# Altium PCB PCB_v1.PcbDoc (part 2 of 8) (continued)
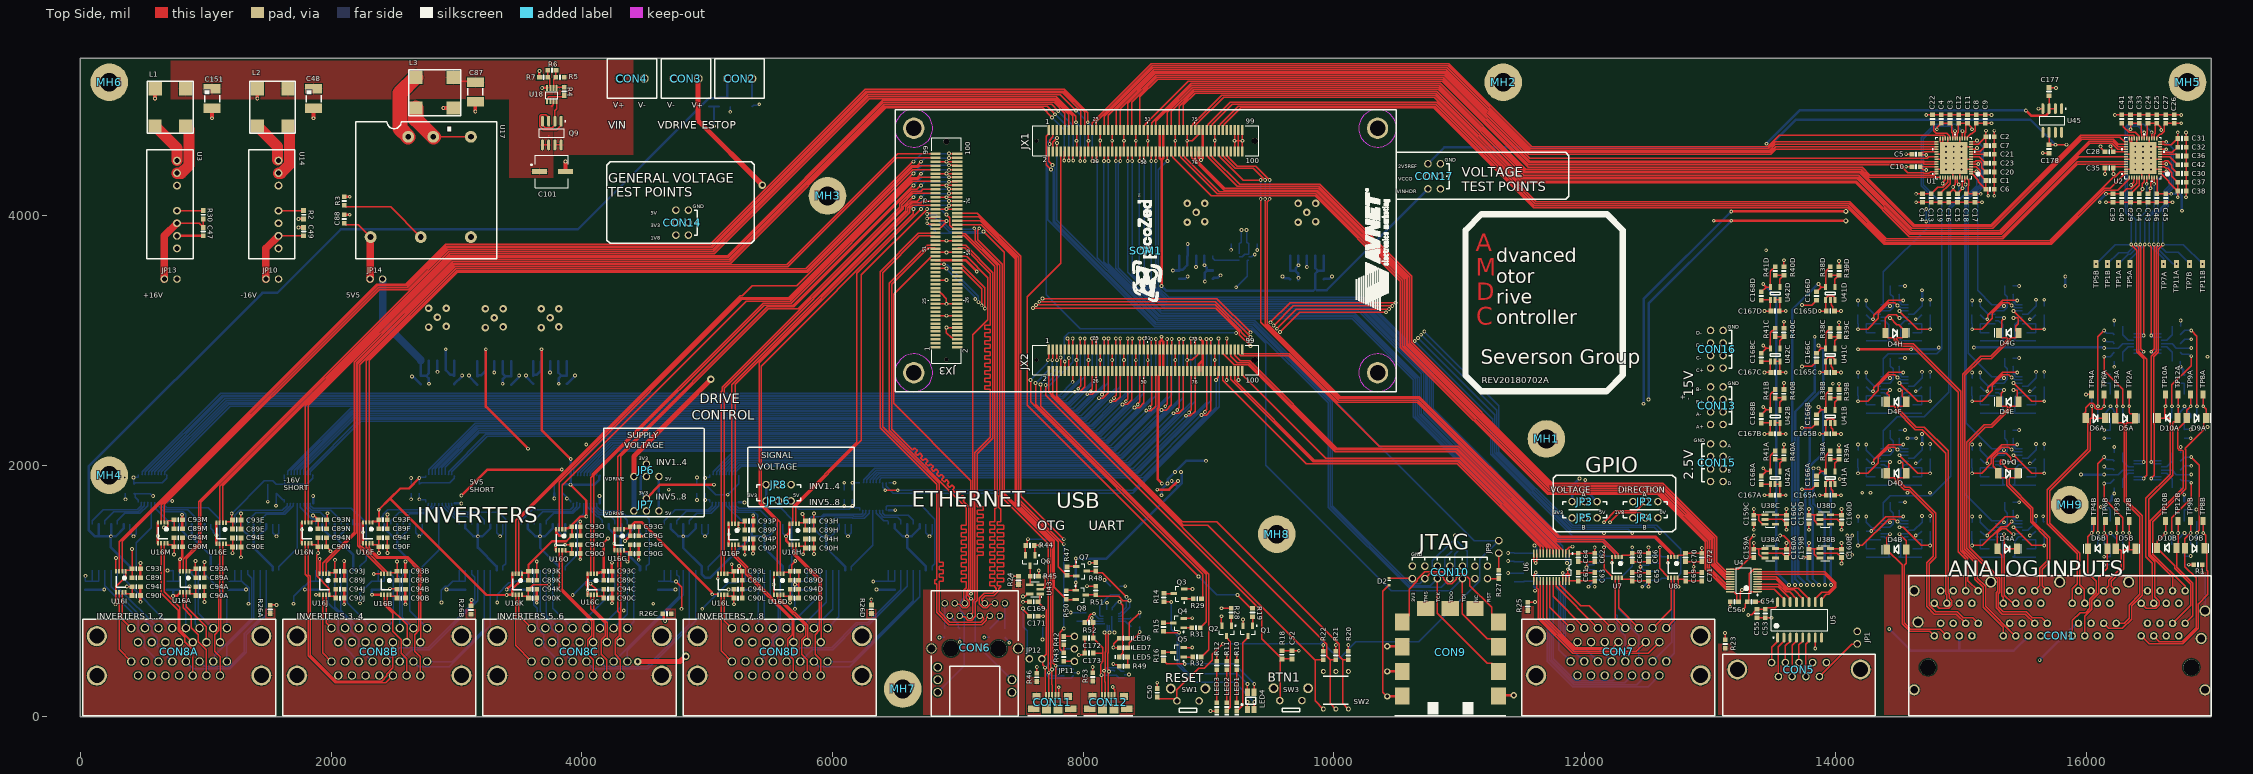
[diagram p0: Top Side view]
## Footprints (in the part's own frame and the unit in brackets; to place one, negate y for a bottom-side part, rotate by r counter-clockwise, add the part's x,y. Pads: shape width x height; smd on the part's side, far side on the other; paste and mask are expansions set on the pad) (continued)
  Top Side keep-out circle w4: c2100,150 r150
  Top Side keep-out circle w4: c150,3850 r150
  Top Side keep-out circle w4: c2100,3850 r150
  Top Side keep-out circle w4: c150,150 r150
  Bottom Side keep-out circle w4: c2100,150 r150
  Bottom Side keep-out circle w4: c150,3850 r150
  Bottom Side keep-out circle w4: c2100,3850 r150
  Bottom Side keep-out circle w4: c150,150 r150
  silkscreen extent 0,0 2250,4000, body extent -1,0 2250,4000, height 186
PIN_HEADER_1x2 [mil]
  round 60 hole 40.16: 1(-50,0) 2(50,0)
PIN_HEADER_1X3 [mil]
  round 60 hole 40.16: 1(-100,0) 2(0,0) 3(100,0)
PIN_HEADER_1X3T [mil]
  round 60 hole 40.16: 1(-100,0) 2(0,0) 3(100,0) 4(0,100)
PIN_HEADER_2x3 [mil]
  round 60 hole 40.16: 1(-100,50) 2(-100,-50) 3(0,50) 4(0,-50) 5(100,50) 6(100,-50)
PIN_HEADER_2x4 [mil]
  round 60 hole 40.16: 1(-150,50) 2(-150,-50) 3(-50,50) 4(-50,-50) 5(50,50) 6(50,-50) 7(150,50) 8(150,-50)
PIN_HEADER_2x7 [mil]
  round 60 hole 40.16: 1(-300,0) 2(-300,-100) 3(-200,0) 4(-200,-100) 5(-100,0) 6(-100,-100) 7(0,0) 8(0,-100) 9(100,0) 10(100,-100) 11(200,0) 12(200,-100) 13(300,0) 14(300,-100)
QFN20 [mm]
  rect 0.3x0.3 smd: 1(0.914,3.327) 6(0.914,0.827) 11(3.414,0.827) 16(3.414,3.327)
  rect 0.9x0.3 smd: 2(0.614,2.827) 3(0.614,2.327) 4(0.614,1.827) 5(0.614,1.327) 12(3.71,1.327) 13(3.71,1.827) 14(3.71,2.327) 15(3.71,2.827)
  rect 0.3x0.9 smd: 7(1.414,0.527) 8(1.914,0.527) 9(2.414,0.527) 10(2.914,0.527) 17(2.914,3.623) 18(2.414,3.623) 19(1.914,3.623) 20(1.414,3.623)
  rect 1.8x1.8 smd: 21(2.164,2.077)
  silkscreen extent 0.26,0.58 3.66,3.99
QFN52 [mil] "Small 52-Lead (7mm × 8mm) QFN Package"
  rect 32x12 smd paste+0 mask+0: 1(-136,127.95) 2(-136,108.27) 3(-136,88.58) 4(-136,68.9) 5(-136,49.21) 6(-136,29.53) 7(-136,9.84) 8(-136,-9.84) 9(-136,-29.53) 10(-136,-49.21) 11(-136,-68.9) 12(-136,-88.58) 13(-136,-108.27) 14(-136,-127.95) 27(136,-127.95) 28(136,-108.27) 29(136,-88.58) 30(136,-68.9) 31(136,-49.21) 32(136,-29.53) 33(136,-9.84) 34(136,9.84) 35(136,29.53) 36(136,49.21) 37(136,68.9) 38(136,88.58) 39(136,108.27) 40(136,127.95)
  rect 12x32 smd paste+0 mask+0: 15(-108.27,-155.5) 16(-88.58,-155.5) 17(-68.9,-155.5) 18(-49.21,-155.5) 19(-29.53,-155.5) 20(-9.84,-155.5) 21(9.84,-155.5) 22(29.53,-155.5) 23(49.21,-155.5) 24(68.9,-155.5) 25(88.58,-155.5) 26(108.27,-155.5) 41(108.27,155.5) 42(88.58,155.5) 43(68.9,155.5) 44(49.21,155.5) 45(29.53,155.5) 46(9.84,155.5) 47(-9.84,155.5) 48(-29.53,155.5) 49(-49.21,155.5) 50(-68.9,155.5) 51(-88.58,155.5) 52(-108.27,155.5)
  rect 216.93x257.87 smd paste-128.44 mask+0: 53(0,0)
  silkscreen extent -205,-192 172,192, body extent 0,0 10,10, height 10
RCU-0C [mm] "0603 PROBE PAD"
  rect 1x1.6 smd: 1(0,0)
  body extent -0.44,-0.8 0.46,0.8, height 1.12
"RS6 DCDC" [mm]
  round 1.6 hole 1: 1(0,0) 2(2.54,0) 3(5.08,0) 5(10.16,0) 6(12.7,0) 7(15.24,0) 8(17.78,0)
  silkscreen extent -2.16,-6.08 19.94,3.3, body extent -2.03,-5.97 19.81,3.18, height 11.1
SC70-5 [mm]
  rect 0.4x0.5 smd: 1(-0.65,-0.95) 2(0,-0.95) 3(0.65,-0.95) 4(0.65,0.95) 5(-0.65,0.95)
  silkscreen extent -0.76,-0.25 -0.51,0
SM8 [mm]
  rect 0.42x0.889 smd: 1(0,-2.105) 2(0.65,-2.105) 3(1.3,-2.105) 4(1.95,-2.105) 5(1.95,2.105) 6(1.3,2.105) 7(0.65,2.105) 8(0,2.105)
  silkscreen extent 0,-1.14 1.91,1.14
SMA [mm] "DO-214-AC/SMA; 2 C-Bend Leads; Body 5 x 2.7 mm, inc. leads (LxW)"
  rect 1.27x2.1 smd: 1(-2.05,0) 2(1.905,0)
  silkscreen extent -0.56,-0.94 2.77,0.91, body extent -2.16,-1.27 2.29,1.27, height 2.29
SO8_N [mm] "SOIC, 8-Leads, Body 4.9x3.9mm, Pitch 1.27mm, IPC Medium Density"
  oval 2.2x0.6 smd: 1(-2.4,1.905) 2(-2.4,0.635) 3(-2.4,-0.635) 4(-2.4,-1.905) 5(2.4,-1.905) 6(2.4,-0.635) 7(2.4,0.635) 8(2.4,1.905)
  silkscreen extent -2.52,-2.5 0.9,2.88, body extent -2,-2.5 2,2.5, height 1.75
SOD-523 [mm]
  rect 0.5x0.6 smd paste+0 mask+0: A(-0.7,0) C(0.7,0)
  silkscreen extent 0.28,-0.3 0.28,0.3
SOIC8_N [mm] "8-Pin Small Outline Integrated Circuit Package (SOIC8), IPC Medium Density"
  oval 2.2x0.6 smd: 1(-2.4,1.905) 2(-2.4,0.635) 3(-2.4,-0.635) 4(-2.4,-1.905) 5(2.4,-1.905) 6(2.4,-0.635) 7(2.4,0.635) 8(2.4,1.905)
  silkscreen extent -2.52,-2.5 0.9,2.88, body extent -1.95,-2.45 1.95,2.45, height 1.75
SOIC14_N [mm] "14-Pin Small Outline Integrated Circuit 1.27 mm Pitch, IPC Medium Density"
  oval 2.2x0.6 smd: 1(-2.4,3.81) 2(-2.4,2.54) 3(-2.4,1.27) 4(-2.4,0) 5(-2.4,-1.27) 6(-2.4,-2.54) 7(-2.4,-3.81) 8(2.4,-3.81) 9(2.4,-2.54) 10(2.4,-1.27) 11(2.4,0) 12(2.4,1.27) 13(2.4,2.54) 14(2.4,3.81)
  silkscreen extent -2.52,-4.4 0.9,4.79, body extent -1.95,-4.33 1.95,4.33, height 1.75
"SOIC16_N - wide" [mm] "ISO5452"
  oval 2.2x0.6 smd: 1(0,0) 2(0,-1.27) 3(0,-2.54) 4(0,-3.81) 5(0,-5.08) 6(0,-6.35) 7(0,-7.62) 8(0,-8.89) 9(9.32,-8.89) 10(9.32,-7.62) 11(9.32,-6.35) 12(9.32,-5.08) 13(9.32,-3.81) 14(9.32,-2.54) 15(9.32,-1.27) 16(9.32,0)
  silkscreen extent -0.12,-9.45 7.62,0.97, body extent 0.4,-9.45 8.89,0.56, height 1.91
SOP127P826-16L [mm] "SOP, 16-Leads, Body 11x6.2mm, Pitch 1.27mm, IPC High Density"
  oval 2x0.6 smd: 1(-3.6,4.445) 2(-3.6,3.175) 3(-3.6,1.905) 4(-3.6,0.635) 5(-3.6,-0.635) 6(-3.6,-1.905) 7(-3.6,-3.175) 8(-3.6,-4.445) 9(3.6,-4.445) 10(3.6,-3.175) 11(3.6,-1.905) 12(3.6,-0.635) 13(3.6,0.635) 14(3.6,1.905) 15(3.6,3.175) 16(3.6,4.445)
  silkscreen extent -3.72,-5.7 2.2,5.7, body extent -3.11,-5.71 3.11,5.71, height 2
SOT23-5 [mm] "SOT-23/SC-74A; 5 Leads; Body 3 x 3 mm, inc. leads (LxW max)"
  rect 0.55x1.45 smd: 1(-0.95,-1.075) 2(0,-1.075) 3(0.95,-1.075) 4(0.95,1.075) 5(-0.95,1.075)
  silkscreen extent -1.57,-1.35 1.55,0.9
SOT95P250-3N [mm] "SOT23, 3-Leads, Body 2.9x1.3mm, Pitch 0.95mm, Lead Span 2.3mm, IPC Medium Density"
  rect 1.3x0.6 smd: 1(-1.05,0.95) 2(-1.05,-0.95) 3(1.05,0)
  silkscreen extent -1.17,-1.5 0.7,1.93, body extent -0.7,-1.5 0.7,1.5, height 1.2
SOT363-6N [mm] "SOT363, 6-Leads, Body 2x1.3mm, Pitch 0.65mm, Lead Span 2.1mm, IPC Medium Density"
  rect 0.85x0.4 smd: 1(-0.95,0.65) 2(-0.95,0) 3(-0.95,-0.65) 4(0.95,-0.65) 5(0.95,0) 6(0.95,0.65)
  silkscreen extent -1.07,-1.1 0.15,1.52, body extent -0.7,-1.1 0.7,1.1, height 1
TS8 [mm]
  rect 0.4x1.22 smd: 1(0,0) 2(0.65,0) 3(1.3,0) 4(1.95,0) 5(1.95,2.62) 6(1.3,2.62) 7(0.65,2.62) 8(0,2.62)
  silkscreen extent -0.64,0.07 2.18,2.21, body extent -0.49,-0.06 2.41,2.74, height 1
TSOT-23 [mm] "5-Lead Plastic TSOT-23"
  rect 0.62x1.22 smd: 1(-0.95,-1.31) 2(0,-1.31) 3(0.95,-1.31) 4(0.95,1.31) 5(-0.95,1.31)
  silkscreen extent -1.02,-0.25 1.02,0.25
TSSOP14 [mm] "Shrink Small Outline; 14 Leads; Body Width 4.4 mm; Pitch 0.65 mm"
  rect 0.3x1.65 smd: 1(-1.95,-2.775) 2(-1.3,-2.775) 3(-0.65,-2.775) 4(0,-2.775) 5(0.65,-2.775) 6(1.3,-2.775) 7(1.95,-2.775) 8(1.95,2.775) 9(1.3,2.775) 10(0.65,2.775) 11(0,2.775) 12(-0.65,2.775) 13(-1.3,2.775) 14(-1.95,2.775)
  silkscreen extent -2.77,-2.9 2.55,1.55
TSSOP24 [mm] "Shrink Small Outline; 24 Leads; Body Width 4.4 mm; Pitch 0.65 mm"
  rect 0.3x1.6 smd: 1(-3.575,-2.8) 2(-2.925,-2.8) 3(-2.275,-2.8) 4(-1.625,-2.8) 5(-0.975,-2.8) 6(-0.325,-2.8) 7(0.325,-2.8) 8(0.975,-2.8) 9(1.625,-2.8) 10(2.275,-2.8) 11(2.925,-2.8) 12(3.575,-2.8) 13(3.575,2.8) 14(2.925,2.8) 15(2.275,2.8) 16(1.625,2.8) 17(0.975,2.8) 18(0.325,2.8) 19(-0.325,2.8) 20(-0.975,2.8) 21(-1.625,2.8) 22(-2.275,2.8) 23(-2.925,2.8) 24(-3.575,2.8)
  silkscreen extent -4.4,-2.92 4,1.6
TSSOP50P640-20N [mm] "TSSOP, 20-Leads, Body 5x4.4mm, Pitch 0.5mm, IPC Medium Density"
  oval 1.75x0.3 smd: 1(-2.775,2.25) 2(-2.775,1.75) 3(-2.775,1.25) 4(-2.775,0.75) 5(-2.775,0.25) 6(-2.775,-0.25) 7(-2.775,-0.75) 8(-2.775,-1.25) 9(-2.775,-1.75) 10(-2.775,-2.25) 11(2.775,-2.25) 12(2.775,-1.75) 13(2.775,-1.25) 14(2.775,-0.75) 15(2.775,-0.25) 16(2.775,0.25) 17(2.775,0.75) 18(2.775,1.25) 19(2.775,1.75) 20(2.775,2.25)
  silkscreen extent -2.9,-2.55 1.5,3.07, body extent -2.25,-2.55 2.25,2.55, height 1.2
TSSOP-20 [mm]
  rect 0.45x1.25 smd: 1(0,0) 2(0.65,0) 3(1.3,0) 4(1.95,0) 5(2.6,0) 6(3.25,0) 7(3.9,0) 8(4.55,0) 9(5.2,0) 10(5.85,0) 11(5.85,5.55) 12(5.2,5.55) 13(4.55,5.55) 14(3.9,5.55) 15(3.25,5.55) 16(2.6,5.55) 17(1.95,5.55) 18(1.3,5.55) 19(0.65,5.55) 20(0,5.55)
  silkscreen extent -1.11,-0.71 6.02,6.27, body extent -0.38,-0.53 6.22,6.07, height 1.2

## Part data
C101: "Polarized Capacitor (Radial)", Capacitance=100uF, Case/Package=Radial, Dielectric Material=Aluminium, Leakage Current=3uA, Manufacturer=Nichicon, Manufacturer Part Number=UWT1V101MCL1GS, Max Operating Temperature=105°C, Min Operating Temperature=-55°C, Package Quantity=900, Ripple Current=84mA, Supplier Part Number 1=493-2203-6-ND, Tolerance=20%, Voltage=35V, ComponentLink1Description=https://datasheet.ciiva.com/96/e-wt-96659.pdf, ComponentLink1URL=https://datasheet.ciiva.com/96/e-wt-96659.pdf, ComponentLink2Description=https://datasheet.ciiva.com/96/e-wt-96660.pdf, ComponentLink2URL=https://datasheet.ciiva.com/96/e-wt-96660.pdf, ComponentLink3Description=https://datasheet.ciiva.com/96/e-wt-96661.pdf, ComponentLink3URL=https://datasheet.ciiva.com/96/e-wt-96661.pdf, ComponentLink4Description=https://datasheet.ciiva.com/11778/0900766b80fa3a91-11778473.pdf, ComponentLink4URL=https://datasheet.ciiva.com/11778/0900766b80fa3a91-11778473.pdf, ComponentLink5Description=https://datasheet.ciiva.com/15199/getdatasheetpartid-450031-15199274.pdf, ComponentLink5URL=https://datasheet.ciiva.com/15199/getdatasheetpartid-450031-15199274.pdf, ComponentLink6Description=https://datasheet.ciiva.com/17528/e-wt-17528043.pdf, ComponentLink6URL=https://datasheet.ciiva.com/17528/e-wt-17528043.pdf, ComponentLink7Description=https://datasheet.ciiva.com/11687/e-wt-11687372.pdf, ComponentLink7URL=https://datasheet.ciiva.com/11687/e-wt-11687372.pdf, ComponentLink8Description=https://datasheet.ciiva.com/16294/e-wt-16294316.pdf, ComponentLink8URL=https://datasheet.ciiva.com/16294/e-wt-16294316.pdf, Diameter=6.3mm, Dissipation Factor=0.14%, Height=7.7mm, Height - Seated (Max)=0.303inch, Lead Diameter=0.8mm, Lead Free="Lead Free", Lead Pitch=2.2mm, Length=7.7mm, Life (Hours)=1000Hour, Mount="Surface Mount,PCB", Number of Pins=2, Packaging="Tape and Reel", Pricing 1="1=0.39, 10=0.274, 100=0.1641 (USD)", Radiation Hardening=No, REACH SVHC="No SVHC", Ripple Current (AC)=84mA, Supplier 1=Digi-Key, Termination=SMD/SMT, Voltage Rating=35V, Voltage Rating (DC)=35V
CON1: "CONN MOD JACK 8P8C R/A SHIELDED", Supplier Part Number 1=A115463-ND, Supplier 1=Digi-Key
CON2 CON3 CON4: Supplier Part Number 1=277-1667-ND, Supplier 1=Digi-Key
CON5: "CONN D-SUB RCPT 9POS R/A SOLDER", Supplier Part Number 1=AE10921-ND, Supplier 1=Digi-Key
CON6: Supplier Part Number 1=380-1110-ND, Supplier 1=Digi-Key
CON7 CON8A CON8B CON8C CON8D: "CONN D-SUB RCPT 15POS R/A SLDR", Supplier Part Number 1=1115FFE-ND, Supplier 1=Digi-Key
CON11 CON12: "CONN RCPT MICRO USB TYPE AB", Supplier Part Number 1=A97799TR-ND, Supplier 1=Digi-Key
D1 D3 D7 D8: "TVS DIODE 5.5V 13V SC70-5", Supplier Part Number 1=F2895TR-ND, Supplier 1=Digi-Key
D2: "DIODE SCHOTTKY 30V 200MA SOD523", Supplier Part Number 1=RB521S30T1GOSTR-ND, Supplier 1=Digi-Key
D4A D4B D4C D4D D4E D4F D4G D4H D5A D5B D6A D6B D9A D9B D10A D10B: "TVS DIODE 22V 35.5V SMA", Breakdown Voltage=26.9V, Case/Package=SMA, Clamping Voltage=35.5V, Leakage Current=5uA, Manufacturer=Bourns, Manufacturer Part Number=SMAJ22CA, Max Operating Temperature=150°C, Max Surge Current=40A, Min Breakdown Voltage=24.4V, Min Operating Temperature=-55°C, Operating Supply Voltage=3.5V, Package Quantity=1, Peak Pulse Current=11.2A, Peak Pulse Power=400W, Power Line Protection=No, Reverse Standoff Voltage=22V, Supplier Part Number 1=SMAJ22CABDKR-ND, Test Current=1mA, ComponentLink1Description=https://datasheet.ciiva.com/333/smaj-333520.pdf, ComponentLink1URL=https://datasheet.ciiva.com/333/smaj-333520.pdf, ComponentLink2Description=https://datasheet.ciiva.com/3022/smaj-3022225.pdf, ComponentLink2URL=https://datasheet.ciiva.com/3022/smaj-3022225.pdf, ComponentLink3Description=https://datasheet.ciiva.com/17413/smaj-17413512.pdf, ComponentLink3URL=https://datasheet.ciiva.com/17413/smaj-17413512.pdf, ComponentLink4Description=https://datasheet.ciiva.com/4509/smaj-74970-4509930.pdf, ComponentLink4URL=https://datasheet.ciiva.com/4509/smaj-74970-4509930.pdf, ComponentLink5Description=https://datasheet.ciiva.com/333/smaj-333518.pdf, ComponentLink5URL=https://datasheet.ciiva.com/333/smaj-333518.pdf, ComponentLink6Description=https://datasheet.ciiva.com/333/smaj-333519.pdf, ComponentLink6URL=https://datasheet.ciiva.com/333/smaj-333519.pdf, ComponentLink7Description=https://datasheet.ciiva.com/3022/smaj-3022227.pdf, ComponentLink7URL=https://datasheet.ciiva.com/3022/smaj-3022227.pdf, ComponentLink8Description=https://datasheet.ciiva.com/3022/smaj-3022228.pdf, ComponentLink8URL=https://datasheet.ciiva.com/3022/smaj-3022228.pdf, ComponentLink9Description=https://datasheet.ciiva.com/334/smaj-334501.pdf, ComponentLink9URL=https://datasheet.ciiva.com/334/smaj-334501.pdf, ComponentLink10Description=https://datasheet.ciiva.com/334/smaj-334502.pdf, ComponentLink10URL=https://datasheet.ciiva.com/334/smaj-334502.pdf, ComponentLink11Description=https://datasheet.ciiva.com/334/smaj-334503.pdf, ComponentLink11URL=https://datasheet.ciiva.com/334/smaj-334503.pdf, Composition=Zener, Direction=Bidirectional, Element Configuration=Single, Max Reverse Leakage Current=5uA, Mount="Surface Mount", Number of Bidirectional Channels=1, Number of Channels=1, Number of Elements=1, Number of Pins=2, Packaging="Tape and Reel", Polarity=Bidirectional, Pricing 1="1=0.45, 10=0.353, 25=0.2976, 100=0.2421, 250=0.2006, 500=0.16602, 1000=0.12451, 2500=0.11414 (USD)", Radiation Hardening=No, Reverse Breakdown Voltage=24.4V, Stock 1=24429, Supplier 1=Digi-Key, Termination=SMD/SMT
L1 L2 L3: "CMC 450UH 6.5A 2LN TH", Case/Package=SMD/SMT, Current=3.5A, DC Resistance (DCR)=11mR, Inductance=9uh, Inductance Tolerance=25%, Manufacturer="Wurth Electronics", Manufacturer Part Number=744273801, Max Operating Temperature=125°C, Min Operating Temperature=-40°C, Package Quantity=1000, Supplier Part Number 1=732-2215-6-ND, Test Frequency=100kHz, Voltage Rating (DC)=80V, ComponentLink1Description=https://datasheet.ciiva.com/6215/744273801-6215152.pdf, ComponentLink1URL=https://datasheet.ciiva.com/6215/744273801-6215152.pdf, ComponentLink2Description=https://datasheet.ciiva.com/6048/1735681-6048514.pdf, ComponentLink2URL=https://datasheet.ciiva.com/6048/1735681-6048514.pdf, ComponentLink3Description=https://datasheet.ciiva.com/6215/744273801-6215157.pdf, ComponentLink3URL=https://datasheet.ciiva.com/6215/744273801-6215157.pdf, ComponentLink4Description=https://datasheet.ciiva.com/7764/1735681-7764966.pdf, ComponentLink4URL=https://datasheet.ciiva.com/7764/1735681-7764966.pdf, ComponentLink5Description=https://datasheet.ciiva.com/11800/0900766b80f886be-11800844.pdf, ComponentLink5URL=https://datasheet.ciiva.com/11800/0900766b80f886be-11800844.pdf, ComponentLink6Description=https://datasheet.ciiva.com/14123/744273801-eng-tds-14123645.pdf, ComponentLink6URL=https://datasheet.ciiva.com/14123/744273801-eng-tds-14123645.pdf, ComponentLink7Description=https://datasheet.ciiva.com/4952/744273801-77788-4952319.pdf, ComponentLink7URL=https://datasheet.ciiva.com/4952/744273801-77788-4952319.pdf, ComponentLink8Description=https://datasheet.ciiva.com/48690/001087412-da-01-ml-we-sl5-hc-stromk-smd-lin-fil-74427-de-en-48690507.pdf, ComponentLink8URL=https://datasheet.ciiva.com/48690/001087412-da-01-ml-we-sl5-hc-stromk-smd-lin-fil-74427-de-en-48690507.pdf, Core Material=Ferrite, Current Rating=3.5A, Depth=8.3mm, Height=5.3mm, Impedance=800R, Length=9.5mm, Max DC Current=3.5A, Mount="Surface Mount", Number of Lines=2, Number of Pins=4, Packaging="Tape and Reel", Pricing 1="1=3.37, 10=3.125, 50=2.822, 100=2.722, 500=2.52 (USD)", REACH SVHC="No SVHC", Resistance=11mR, Series Resistance=11mR, Stock 1=3927, Supplier 1=Digi-Key, Termination=SMD/SMT, Tolerance=25%, Width=8.3mm
LED4: Supplier Part Number 1=492-1243-2-ND, Supplier 1=Digi-Key
MH1 MH2 MH3 MH4 MH5 MH6 MH7 MH8 MH9: "MOUNTING HOLE"
Q1 Q2 Q3 Q4 Q5 Q6 Q7 Q8: Supplier Part Number 1=DMN65D8L-7DITR-ND, Supplier 1=Digi-Key
Q9: library part "IC - Si4946", "MOSFET Dual N-Channel 60V SO-8 Dual", Manufacturer=Vishay, Manufacturer Part Number=SI4946CDY-T1-GE3, Supplier Part Number 1=SI4946CDY-T1-GE3DKR-ND, Pricing 1="1=1.01, 10=0.892, 100=0.7052, 500=0.54688, 1000=0.43175 (USD)", Supplier 1=Digi-Key
R4 R6: library part Res1, "Resistor", Case/Package=0603, Case Code (Metric)=1608, Manufacturer="Stackpole Electronics", Manufacturer Part Number=RMCF0603FT60K4, Max Operating Temperature=155°C, Max Power Dissipation=100mW, Min Operating Temperature=-55°C, Resistance=60.4k, Supplier Part Number 1=RMCF0603FT60K4CT-ND, Temperature Coefficient=100ppm/°C, Tolerance=1%, Case Code (Imperial)=0603, ComponentLink1Description=https://www.verical.com/server-webapp/html/getDatasheet?partID=493745, ComponentLink1URL=https://www.verical.com/server-webapp/html/getDatasheet?partID=493745, ComponentLink2Description=http://components.arrow.com/part/dataview/47797003S7054871N1174, ComponentLink2URL=http://components.arrow.com/part/dataview/47797003S7054871N1174, ComponentLink3Description=https://www.seielect.com/catalog/SEI-RMCF_RMCP.pdf, ComponentLink3URL=https://www.seielect.com/catalog/SEI-RMCF_RMCP.pdf, Composition="Thick Film", Contact Plating=Tin,Matte, Depth=0.8mm, Height=0.022inch, Length=1.55mm, Military Standard=Not, Mount="Surface Mount", Number of Terminations=2, Packaging="Tape and Reel", Pricing 1="1=0.1, 10=0.017, 100=0.0069, 1000=0.00309, 2500=0.00268 (USD)", Radiation Hardening=No, Stock 1=95491, Supplier 1=Digi-Key, Width=0.031inch
R5: library part Res1, "Resistor", Case/Package=0603, Manufacturer="Stackpole Electronics", Manufacturer Part Number=RMCF0603FT3M92, Max Operating Temperature=155°C, Max Power Dissipation=100mW, Min Operating Temperature=-55°C, Package Quantity=5000, Resistance=3.92M, Supplier Part Number 1=RMCF0603FT3M92CT-ND, Temperature Coefficient=200ppm/°C, Tolerance=1%, ComponentLink1Description=https://www.seielect.com/Catalog/SEI-RMCF_RMCP.pdf, ComponentLink1URL=https://www.seielect.com/Catalog/SEI-RMCF_RMCP.pdf, Composition="Thick Film", Contact Plating=Tin,Matte, Height=0.022inch, Length=0.061inch, Mount="Surface Mount", Number of Terminations=2, Packaging="Tape and Reel", Pricing 1="1=0.1, 10=0.018, 100=0.0073, 1000=0.00329, 2500=0.00286 (USD)", Radiation Hardening=No, Stock 1=7775, Supplier 1=Digi-Key, Width=0.031inch
R7: library part Res1, "Resistor", Case/Package=0603, Case Code (Metric)=1608, Manufacturer="Stackpole Electronics", Manufacturer Part Number=RMCF0603FT40K2, Max Operating Temperature=155°C, Max Power Dissipation=100mW, Min Operating Temperature=-55°C, Resistance=40.2k, Supplier Part Number 1=RMCF0603FT40K2CT-ND, Temperature Coefficient=100ppm/°C, Tolerance=1%, Case Code (Imperial)=0603, ComponentLink1Description=http://components.arrow.com/part/dataview/47804758S9848883N1174, ComponentLink1URL=http://components.arrow.com/part/dataview/47804758S9848883N1174, ComponentLink2Description=https://www.seielect.com/catalog/SEI-RMCF_RMCP.pdf, ComponentLink2URL=https://www.seielect.com/catalog/SEI-RMCF_RMCP.pdf, ComponentLink3Description=http://www.seielect.com/Catalog/SEI-RMC.pdf, ComponentLink3URL=http://www.seielect.com/Catalog/SEI-RMC.pdf, ComponentLink4Description=https://www.seielect.com/catalog/SEI-Packaging.pdf, ComponentLink4URL=https://www.seielect.com/catalog/SEI-Packaging.pdf, Composition="Thick Film", Contact Plating=Tin,Matte, Height=0.022inch, Lead Free="Lead Free", Length=0.061inch, Mount="Surface Mount", Number of Terminations=2, Packaging="Tape and Reel", Power Rating=100mW, Pricing 1="1=0.1, 10=0.017, 100=0.0069, 1000=0.00309, 2500=0.00268 (USD)", Radiation Hardening=No, Stock 1=147242, Supplier 1=Digi-Key, Width=0.031inch
SOM1: library part PicoZed_SOM, "PicoZed SOM Carrier Footprint"
SW1 SW3: "SWITCH TACTILE SPST-NO 0.05A 24V", Supplier Part Number 1=450-1662-ND, Supplier 1=Digi-Key
SW2: "SWITCH PIANO DIP SPST 50MA 24V", Supplier Part Number 1=CT1943MST-ND, Supplier 1=Digi-Key
TP1A TP1B TP2A TP2B TP3A TP3B TP4A TP4B TP5A TP5B TP6A TP6B TP7A TP7B TP8A TP8B TP9A TP9B TP10A TP10B TP11A TP11B TP12A TP12B: Color=Natural, Supplier Part Number 1=A106145CT-ND, Category="Test and Measurement", ComponentLink1Description=http://www.te.com/commerce/DocumentDelivery/DDEController?Action=srchrtrv&DocNm=1773266&DocType=DS&DocLang=English, ComponentLink1URL=http://www.te.com/commerce/DocumentDelivery/DDEController?Action=srchrtrv&DocNm=1773266&DocType=DS&DocLang=English, Material - Body=-, Material - Insulation="No Insulation", Mounting Type="Surface Mount", Packaging="Cut Tape (CT)", Part Status=Active, Plating=-, Pricing 1="1=0.22, 10=0.206, 25=0.1756, 50=0.1536, 100=0.1426, 250=0.12616, 500=0.12068, 1000=0.09874 (USD)", RoHS="RoHS Compliant", Size / Dimension="0.063\" x 0.031\" x 0.045\" (1.60mm x 0.80mm x 1.15mm)", Stock 1=136646, Supplier 1=Digi-Key, Type="PC Test Point"
U1 U2: "IC ADC 14BIT 1.5MSPS SAR 52QFN - 14 Bit Analog to Digital Converter 8 Input 4 SAR 52-QFN (7x8)", Supplier Part Number 1=LTC2320CUKG-14#PBF-ND, Supplier 1=Digi-Key
U3 U14: "Recom RS6", Manufacturer=Recom, Manufacturer Part Number=RS6-2415S, Max Output Voltage=16.5V, Supplier Part Number 1=945-2987-ND, Height=11.1mm, Lead Free="Lead Free", Length=21.8mm, Pricing 1="1=14.62, 5=14.508, 10=14.398, 25=14.176, 50=13.733, 100=12.404, 250=12.18252, 500=11.961 (USD)", Stock 1=253, Supplier 1=Digi-Key, Weight=4g, Width=9.2mm
U3A U3B U3C U3D U3E U3F U3G U3H: Supplier Part Number 1=ADA4522-4ARZ-ND, Supplier 1=Digi-Key
U4 U13A U13B U13C U13D U13E U13F: "IC XLATOR 8CH 1.2-5.5V 20TSSOP", Supplier Part Number 1=ADG3308BRUZ-ND, Supplier 1=Digi-Key
U5: "IC RS485/422 RX 32MBPS 16-QSOP", Supplier Part Number 1=MAX3097ECEE+-ND, Supplier 1=Digi-Key
U6 U9: "IC BUS TRANSCVR 8BIT 24TSSOP", Supplier Part Number 1=296-18593-2-ND, Supplier 1=Digi-Key
U7 U8 U10 U11 U16A U16B U16C U16D U16E U16F U16G U16H U16I U16J U16K U16L U16M U16N U16O U16P: "IC BUS TRANSCVR 2BIT N-INV SM8", Supplier Part Number 1=296-16845-2-ND, Supplier 1=Digi-Key
U12A U12B U12C U12D U12E U12F U15A U15B U15C U15D U15E U15F: "IC MOSFET DVR QUAD AND 16SOIC", Supplier Part Number 1=TC4468COE-ND, Supplier 1=Digi-Key
U17: "DC/DC CONVERTER 15W 5V 3A", Case/Package=Module, Current - Output 1=3A, Isolation Voltage=2.25kV, Manufacturer=GE, Manufacturer Part Number=SHHD003A0A41Z, Max Input Voltage=75V, Max Operating Temperature=85°C, Max Power Dissipation=15W, Min Input Voltage=18V, Min Operating Temperature=-40°C, Output Voltage=5V, Package Quantity=75, Supplier Part Number 1=555-1311-ND, ComponentLink1Description=https://datasheet.ciiva.com/13119/shhd003a0a-13119248.pdf, ComponentLink1URL=https://datasheet.ciiva.com/13119/shhd003a0a-13119248.pdf, ComponentLink2Description=https://datasheet.ciiva.com/6224/shhd003a0a-6224821.pdf, ComponentLink2URL=https://datasheet.ciiva.com/6224/shhd003a0a-6224821.pdf, Depth=24.4mm, Efficiency=87%, Features=UVLO,OVP, Height=0.34inch, Isolation=Isolated, Length=1.1inch, Max Output Current=3A, Mount="Through Hole", Number of Outputs=1, Number of Pins=6, Output Current=3A, Output Power=15W, Packaging=Bulk, Pricing 1="1=18.55, 5=18.404, 10=18.261, 25=17.9756, 50=17.1196, 100=15.6929, 250=15.40756, 500=15.1793 (USD)", Stock 1=1272, Supplier 1=Digi-Key, Voltage - Output 1=5V, Weight=0.282192oz, Width=0.96inch
U18: library part "IC - LTC4365", "Overvoltage, Undervoltage and Reverse Supply Protection Controller", Case/Package=TSOT, Manufacturer="Analog Devices / Linear Technology", Manufacturer Part Number=LTC4365CTS8#TRMPBF, Max Operating Temperature=70°C, Max Supply Voltage=34V, Min Operating Temperature=0°C, Min Supply Voltage=2.5V, Operating Supply Current=125uA, Package Quantity=1, Supplier Part Number 1=LTC4365CTS8#TRMPBFCT-ND, ComponentLink1Description=https://datasheet.ciiva.com/1964/29832-1964768.pdf, ComponentLink1URL=https://datasheet.ciiva.com/1964/29832-1964768.pdf, ComponentLink2Description=https://datasheet.ciiva.com/1964/29832-1964769.pdf, ComponentLink2URL=https://datasheet.ciiva.com/1964/29832-1964769.pdf, ComponentLink3Description=https://datasheet.ciiva.com/1964/29832-1964770.pdf, ComponentLink3URL=https://datasheet.ciiva.com/1964/29832-1964770.pdf, ComponentLink4Description=https://datasheet.ciiva.com/1569/1747530-1569576.pdf, ComponentLink4URL=https://datasheet.ciiva.com/1569/1747530-1569576.pdf, ComponentLink5Description=https://datasheet.ciiva.com/1511/1747530-1511388.pdf, ComponentLink5URL=https://datasheet.ciiva.com/1511/1747530-1511388.pdf, ComponentLink6Description=https://datasheet.ciiva.com/1569/1441932-1569148.pdf, ComponentLink6URL=https://datasheet.ciiva.com/1569/1441932-1569148.pdf, ComponentLink7Description=https://datasheet.ciiva.com/15104/getdatasheetpartid-418104-15104380.pdf, ComponentLink7URL=https://datasheet.ciiva.com/15104/getdatasheetpartid-418104-15104380.pdf, ComponentLink8Description=https://datasheet.ciiva.com/1569/1441932-1569149.pdf, ComponentLink8URL=https://datasheet.ciiva.com/1569/1441932-1569149.pdf, ComponentLink9Description=https://datasheet.ciiva.com/22711/1747530-22711070.pdf, ComponentLink9URL=https://datasheet.ciiva.com/22711/1747530-22711070.pdf, ComponentLink10Description=https://datasheet.ciiva.com/1511/1747530-1511487.pdf, ComponentLink10URL=https://datasheet.ciiva.com/1511/1747530-1511487.pdf, ComponentLink11Description=https://datasheet.ciiva.com/48695/001256088-da-01-en-ic-over-ltc4365cts8-trmpbf-tsot-23-8-ltc-48695786.pdf, ComponentLink11URL=https://datasheet.ciiva.com/48695/001256088-da-01-en-ic-over-ltc4365cts8-trmpbf-tsot-23-8-ltc-48695786.pdf, Length=2.9mm, Number of Pins=8, Output Voltage=34V, Packaging="Tape and Reel", Pricing 1="1=3.76, 25=3.3572, 100=2.2766, 250=2.08692 (USD)", Radiation Hardening=No, REACH SVHC="No SVHC", Supplier 1=Digi-Key
U34: "TXRX XLATING DUAL 3ST 6TSSOP", Supplier Part Number 1=1727-4560-2-ND, Supplier 1=Digi-Key
U37A U37B: "IC REG LINEAR 1.8V 3A 5DDPAK", Supplier 1=Digi-Key, Supplier Part Number 1=LT1764EQ-1.8#PBF-ND
U38A U38B U38C U38D: "IC REG LINEAR 2.5V 250MA SOT23", Supplier Part Number 1=296-40356-2-ND, Supplier 1=Digi-Key
U39: "IC REG LINEAR 3.3V 3A 5DDPAK", Supplier Part Number 1=LT1764EQ-3.3#PBF-ND, Supplier 1=Digi-Key
U40A U40B: "IC REG LINEAR 5V 3A 5DDPAK", Supplier Part Number 1=LT1529CQ-5#PBF-ND, Supplier 1=Digi-Key
U41A U41B U41C U41D: "IC REG LINEAR 200MA TSOT23-5", Supplier Part Number 1=ADP7118AUJZ-R7-ND, Supplier 1=Digi-Key
U42A U42B U42C U42D: "IC REG LINEAR 200MA 5TSOT", Supplier Part Number 1=ADP7182AUJZ-R7-ND, Supplier 1=Digi-Key
U43: "IC USB PWR SW 1CH 0.5A SOT23-5", Supplier Part Number 1=296-29537-1-ND, Supplier 1=Digi-Key
U44: "IC BRIDGE USB TO UART 20QFN", Supplier Part Number 1=336-3692-ND, Supplier 1=Digi-Key
U45: "IC VREF SERIES 2.5V 8SOIC", Supplier Part Number 1=LT1461CCS8-2.5#PBF-ND, Supplier 1=Digi-Key
U46A U46B: Case/Package=TSSOP, Input Bias Current=50pA, Input Offset Voltage (Vos)=1.5uV, Manufacturer="Analog Devices", Manufacturer Part Number=ADA4522-4ARUZ-RL, Max Dual Supply Voltage=27.5V, Max Operating Temperature=125°C, Max Supply Voltage=55V, Min Dual Supply Voltage=2.25V, Min Operating Temperature=-40°C, Min Supply Voltage=4.5V, Operating Supply Current=830uA, Output Current per Channel=32mA, Power Supply Rejection Ratio (PSRR)=150dB, Supplier Part Number 1=ADA4522-4ARUZ-RLCT-ND, Voltage Gain=137dB, Common Mode Rejection Ratio=140dB, ComponentLink1Description=http://www.mouser.com/ds/2/609/ADA4522-1_4522-2_4522-4-914641.pdf, ComponentLink1URL=http://www.mouser.com/ds/2/609/ADA4522-1_4522-2_4522-4-914641.pdf, ComponentLink2Description=http://www.analog.com/media/en/technical-documentation/data-sheets/ADA4522-1_4522-2_4522-4.pdf, ComponentLink2URL=http://www.analog.com/media/en/technical-documentation/data-sheets/ADA4522-1_4522-2_4522-4.pdf, Contact Plating=Tin,Matte, Gain Bandwidth Product=2.7MHz, Lead Free="Contains Lead", Mount="Surface Mount", Number of Circuits=4, Number of Pins=14, Packaging="Tape and Reel", Pricing 1="1=8.7, 10=7.861, 100=6.5086, 500=5.66758, 1000=4.93628 (USD)", Slew Rate=1.7V/µs, Stock 1=1071, Supplier 1=Digi-Key
U47A U47B U48A U48B: "IC OPAMP DIFF 150KHZ 14SOIC", Supplier Part Number 1=INA2143UA-ND, Supplier 1=Digi-Key

## Via types
v1: diameter 30, hole 15, Top Side to Bottom Side, 913 vias
v2: diameter 25, hole 15, Top Side to Bottom Side, 30 vias
v3: diameter 60, hole 30, Top Side to Bottom Side, 29 vias
v4: diameter 50, hole 28, Top Side to Bottom Side, 4 vias
v5: diameter 40, hole 20, Top Side to Bottom Side, 2 vias

## Nets (pads, with @x,y where several pads share a name; then routed paths per layer and width w, separated by ;. In a path a pad name is that pad's centre, name@x,y a point inside that pad or via, vN(x,y) a via of type N, cw(c..) or ccw(c..) an arc to the next point about the centre after c; other vN are vias at no path point)
2.5VA: C160C.1 CON15.3 U38C.5 U47A.3 U47A.5 U48A.3 U48A.5 | length 6521.3
  Top Side w10: U38C.5@13522.32,1609.8 13606.06,1609.8 C160C.1@13610,1605.87 v1(13610,1655)
  Ground Layer w20: CON15.3@13105,2075 13211,1969 13211,1446.22 13327.22,1330 13597.43,1330 13640,1372.57 13640,1622.29 13610,1652.29 v1(13610,1655) ; v1(14135,1290) v1(14135,1445)
  Power Layer w20: v1(13610,1655) 13747.57,1655 13777.57,1685 14062.43,1685 14135,1612.43 v1(14135,1445) ; v1(14135,1290) 15703.35,1290 16035,1621.65 16035,2315 v1(16195,2475) 16197.71,2475 16227.71,2445 16752.29,2445 16782.29,2475 v1(16785,2475)
  Bottom Side w10: U47A.5@16145,2381.02 16145,2412.52 16191.17,2458.69 16191.17,2471.17 v1(16195,2475) 16221.13,2448.87 16221.13,2436.39 16245,2412.52 U47A.3@16245,2381.02 ; U48A.5@16735,2381.02 16735,2412.52 16781.17,2458.69 16781.17,2471.17 v1(16785,2475) 16811.13,2448.87 16811.13,2436.39 16835,2412.52 U48A.3@16835,2381.02
2.5VA: C160A.1 CON15.1 R9A.2 R9B.2 R9C.2 R9D.2 U38A.5 | length 4797.5
  Top Side w10: U38A.5@13522.32,1339.8 13606.06,1339.8 C160A.1@13610,1335.87 v1(13610,1385)
  Ground Layer w20: CON15.1@13105,2175 13236,2044 13236,1456.57 13337.57,1355 13577.29,1355 13607.29,1385 v1(13610,1385)
  Power Layer w20: v1(13610,1385) 13747.57,1385 13777.57,1415 13977.57,1415 14057.57,1335 14531.63,1335 v1(14641.63,1445) ; v1(14641.63,2020) v1(14641.63,1445) ; v1(15551.63,2020) v1(15551.63,1445) 15548.93,1445 15518.93,1415 15096.63,1415 15066.63,1445 v1(14641.63,1445)
  Bottom Side w10: v1(14641.63,1445) 14645.46,1448.83 14658.53,1448.83 R9B.2@14689.7,1480 ; v1(14641.63,2020) 14645.46,2023.83 14658.53,2023.83 R9D.2@14689.7,2055 ; v1(15551.63,1445) 15555.46,1448.83 15568.53,1448.83 R9A.2@15599.7,1480 ; v1(15551.63,2020) 15555.46,2023.83 15568.53,2023.83 R9C.2@15599.7,2055
2.5VB: C160D.1 CON15.7 U38D.5 U47B.3 U47B.5 U48B.3 U48B.5 | length 5552.1
  Top Side w10: U38D.5@13962.32,1609.8 14046.06,1609.8 C160D.1@14050,1605.87 v1(14050,1655)
  Ground Layer w20: CON15.7@13105,1875 13105,1253.93 13263.93,1095 13795.36,1095 13990.36,1290 v1(14095,1290) v1(14095,1445)
  Power Layer w20: v1(14050,1655) 14095,1610 v1(14095,1445) ; v1(14095,1290) 14095,1287.57 14122.57,1260 15990,1260 v1(16195,1465) 16197.71,1465 16227.71,1435 16752.29,1435 16782.29,1465 v1(16785,1465)
  Bottom Side w10: U47B.5@16145,1371.02 16145,1415 v1(16195,1465) 16245,1415 U47B.3@16245,1371.02 ; U48B.5@16735,1371.02 16735,1415 v1(16785,1465) 16835,1415 U48B.3@16835,1371.02
2.5VE: C160B.1 CON15.5 R9E.2 R9F.2 R9G.2 R9H.2 U38B.5 | length 5993.5
  Top Side w10: U38B.5@13962.32,1339.8 14046.06,1339.8 C160B.1@14050,1335.87 v1(14050,1385)
  Ground Layer w20: CON15.5@13105,1975 13160,1920 13160,1234.29 13274.29,1120 13785,1120 v1(14050,1385)
  Power Layer w20: v1(14050,1385) 14159.21,1385 14199.21,1425 14524.06,1425 14605,1505.94 14605,2558.37 v1(14641.63,2595) ; v1(14641.63,3170) v1(14641.63,2595) ; v1(15551.63,3170) v1(15551.63,2595) 15548.93,2595 15518.93,2565 15096.63,2565 15066.63,2595 v1(14641.63,2595)
  Bottom Side w10: v1(14641.63,2595) 14645.46,2598.83 14658.53,2598.83 R9F.2@14689.7,2630 ; v1(14641.63,3170) 14645.46,3173.83 14658.53,3173.83 R9H.2@14689.7,3205 ; v1(15551.63,2595) 15555.46,2598.83 15568.53,2598.83 R9E.2@15599.7,2630 ; v1(15551.63,3170) 15555.46,3173.83 15568.53,3173.83 R9G.2@15599.7,3205
2.5VREF: C1.1 C2.1 C6.1 C7.1 C11.1 C12.1 C15.1 C16.1 C24.1 C25.1 C31.1 C32.1 C37.1 C38.1 C43.1 C44.1 C178.1 CON17.5 U1.1 U1.4 U1.10 U1.13 U1.16 U1.19 U1.47 U1.50 U2.1 U2.4 U2.10 U2.13 U2.16 U2.19 U2.47 U2.50 U45.6 | length 8765.4
  Top Side w10: C16.1@14905,4170 14940,4205 ; U1.47@14954.84,4301.04 14954.84,4245.25 14940,4230.41 14940,4205 ; U1.19@14974.53,4612.04 14974.53,4654.17 14980,4659.64 14980,4728.07 C12.1@14985,4733.07 C11.1@15055,4733.07 ; U1.50@15013.9,4301.04 v1(15013.9,4215) 15010.07,4211.17 15010.07,4205.07 C15.1@14975,4170 14940,4205 ; U1.16@15033.58,4612.04 15033.58,4654.33 15041.3,4662.05 15041.3,4719.37 C11.1@15055,4733.07 ; U1.1@15081,4328.58 15091,4328.58 15139.92,4279.67 15139.92,4268.15 C6.1@15201.54,4206.54 ; U1.4@15081,4387.64 15122.42,4387.64 15155.63,4354.43 15155.63,4321.7 C1.1@15201.54,4275.79 C6.1@15201.54,4206.54 ; U1.10@15081,4505.75 15152.28,4505.75 C7.1@15201.54,4555 C2.1@15201.54,4626.54 ; U1.13@15081,4564.8 15139.8,4564.8 C2.1@15201.54,4626.54 ; v1(15090,4685) 15086.17,4688.83 15086.17,4701.9 C11.1@15055,4733.07 ; v1(15201.54,4674.33) C2.1@15201.54,4626.54 ; v1(15220,4155) 15220,4160.41 15215.24,4165.18 15215.24,4192.83 C6.1@15201.54,4206.54 ; U45.6@15705.25,4660.51 15705.25,4562.18 C178.1@15705,4561.93 v1(15756.54,4561.93) 15756.66,4562.05 15844.88,4562.05 v1(15845,4562.18) ; C44.1@16425,4170 16446.17,4191.17 16446.17,4204.5 v1(16450,4208.32) 16450,4250.83 16464.84,4265.67 U2.47@16464.84,4301.04 ; U2.19@16484.53,4612.04 16484.53,4644.68 16490,4650.16 16490,4728.07 C24.1@16495,4733.07 C25.1@16565,4733.07 ; C43.1@16495,4170 16508.7,4183.7 16508.7,4203.29 16515,4209.59 16515,4256.77 16523.9,4265.67 U2.50@16523.9,4301.04 ; U2.16@16543.58,4612.04 16543.58,4644.84 16551.3,4652.56 16551.3,4719.37 C25.1@16565,4733.07 ; U2.1@16591,4328.58 16601,4328.58 16659.92,4269.67 16659.92,4263.65 C38.1@16731.54,4192.04 ; U2.4@16591,4387.64 16624.33,4387.64 16638.7,4373.27 16650.36,4373.27 16684.1,4339.53 16684.1,4309.48 C37.1@16731.54,4262.04 C38.1@16731.54,4192.04 ; U2.10@16591,4505.75 16624.33,4505.75 16629.64,4500.43 16689.93,4500.43 C32.1@16731.54,4542.04 C31.1@16731.54,4612.04 ; U2.13@16591,4564.8 16624.84,4564.8 16629.64,4560 16679.5,4560 C31.1@16731.54,4612.04 ; v1(16600,4680) 16596.17,4683.83 16596.17,4701.9 C25.1@16565,4733.07 ; v1(16731.54,4143.08) C38.1@16731.54,4192.04 ; v1(16731.54,4660.51) C31.1@16731.54,4612.04
  Bottom Side w20: CON17.5@10750,4410 10880,4540 13462.43,4540 13685.5,4763.07 15555.39,4763.07 v1(15756.54,4561.93)
  other v1: 16515,4215 14940,4225
3.3V: C162.1 CON6.14 CON6.16 CON9.11 CON14.3 D2.A JP3.1 JP5.1 JP6.4 JP7.4 JP8.1 JP16.1 LED4.1 LED6.A LED7.A Q6.1 R10.2 R11.2 R44.2 R48.2 R49.2 R51.2 R56.1 U39.4 U39.5 | length 24144.8
  Top Side w10: R44.2@7608.46,1365 7612.95,1365 7613.94,1364.02 Q6.1@7613.94,1286.34 ; R44.2@7614.92,1365 v1(7655,1365) ; v1(8030,1040) 8097.21,1040 R51.2@8098.75,1038.46 ; v1(8050,1225) 8096.54,1225 R48.2@8100,1228.46 ; v1(8240,420) 8245.41,420 8251.71,413.7 8272.83,413.7 R49.2@8286.54,400 ; LED7.A@8286.54,550 v1(8240,550) 8241.54,551.54 8241.54,580 LED6.A@8286.54,625 ; R11.2@9145,441.06 v1(9145,495) ; R10.2@9225,441.06 v1(9225,495) ; LED4.1@9308.78,56.1 9310,57.32 v1(9310,115) ; v4(10425,160) 10390,195 10390,999.41 10438.03,1047.44 D2.A@10440,1047.44
  Top Side w20: v1(3234,2930) 3234,2473.12 v1(3570,2137.12) ; JP7.4@4515,1740 4625,1850 v1(5054,1850) ; v4(10425,160) 10541.85,160 CON9.11@10545,163.15
  Ground Layer w20: v1(4035,2170) 4190.01,2014.99 JP6.4@4515,2014.99
  Power Layer w20: v1(3234,2930) 3294,2990 3800,2990 CON14.3@4750,3940 ; v1(3570,2137.12) 3570.12,2137 4035,2137 ; v1(4035,2170) 4035,2137 ; v1(5054,1850) JP8.1@5469.83,1850 ; CON6.16@6839,293.03 7331,293.03 CON6.14@7431,193.03 8108.03,193.03 8240,325 v1(8240,420) v1(8240,550) 8400,710 8400,975 v1(8335,1040) ; v1(7655,1365) 7795,1225 v1(8050,1225) 8050,1060 ; v1(8030,1040) 8050,1060 ; v1(8625,1765) 8335,1475 v1(8335,1040) ; v1(8671.54,1860) 9025,1506.54 9025,796.16 9275,546.16 ; v1(8732.07,1950.91) 8545.98,2137 4035,2137 ; v1(8980,2040) 9320,2380 11763.35,2380 11960,2183.35 v1(11960,1900) ; v1(9145,495) v1(9225,495) ; v1(9310,115) 9225,200 v1(9225,495) ; v4(10425,160) 9965.95,160 9888.55,82.6 9726.36,82.6 9572.8,236.16 9572.8,248.36 9275,546.16 ; JP5.1@11900,1585 JP3.1@11900,1715 ; 8050,1060 8070,1040 v1(8335,1040) ; v1(9225,495) 9225,496.16 9275,546.16
  Bottom Side w10: R56.1@8290,1038.46 8291.54,1040 v1(8335,1040)
  Bottom Side w20: U39.5@3167,2835.65 C162.1@3167,2713.46 3174.9,2721.37 3195.7,2721.37 3234,2759.67 U39.4@3234,2835.65 v1(3234,2930) ; JP7.4@4515,1740 4470,1785 4470,1969.99 JP6.4@4515,2014.99 ; JP16.1@5469.83,1720.17 5469.91,1720.26 5469.91,1849.91 JP8.1@5469.83,1850 ; v1(8625,1765) 8625,1813.46 v1(8671.54,1860) 8673.45,1861.91 8673.45,1892.29 v1(8732.07,1950.91) 8821.16,2040 v1(8980,2040) ; JP3.1@11900,1715 11900,1840 v1(11960,1900)